# Altium PCB My_esp.PcbDoc
Units mm, origin at the board's own origin, x right, y up, seen from the top; angles counter-clockwise.
Board outline 31.6 x 52.7 mm, 4 copper layers (Top Layer, GND, PWR, Bottom Layer), stack 1.781 mm thick; 43 components, 53 nets, 213 pads, 86 vias.
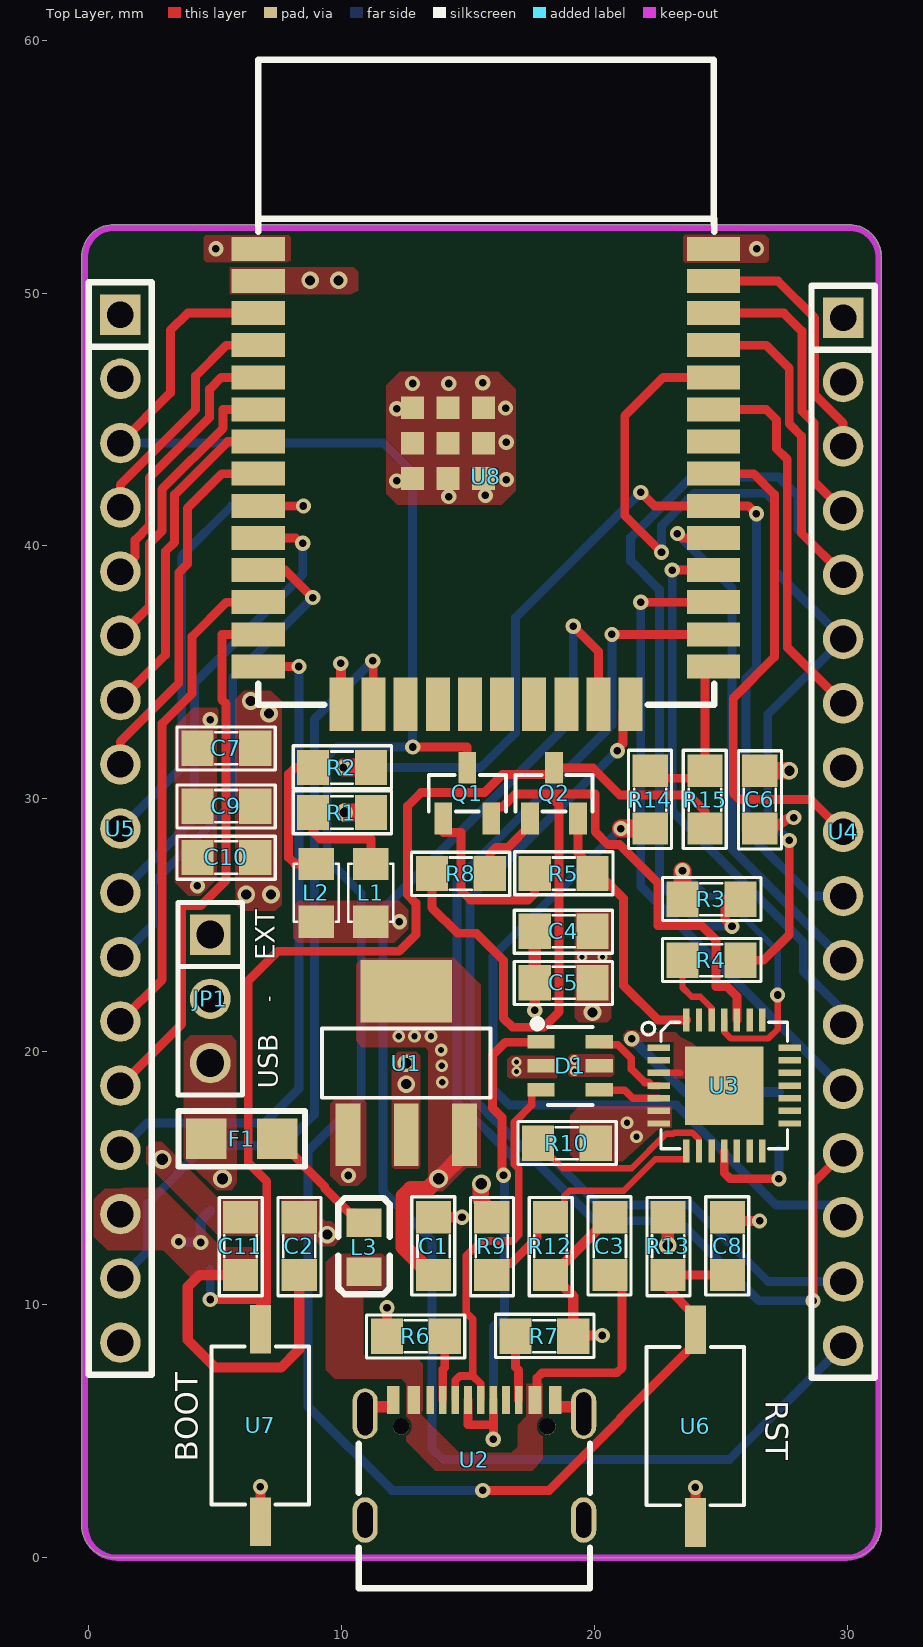
[diagram p0: Top Layer view]
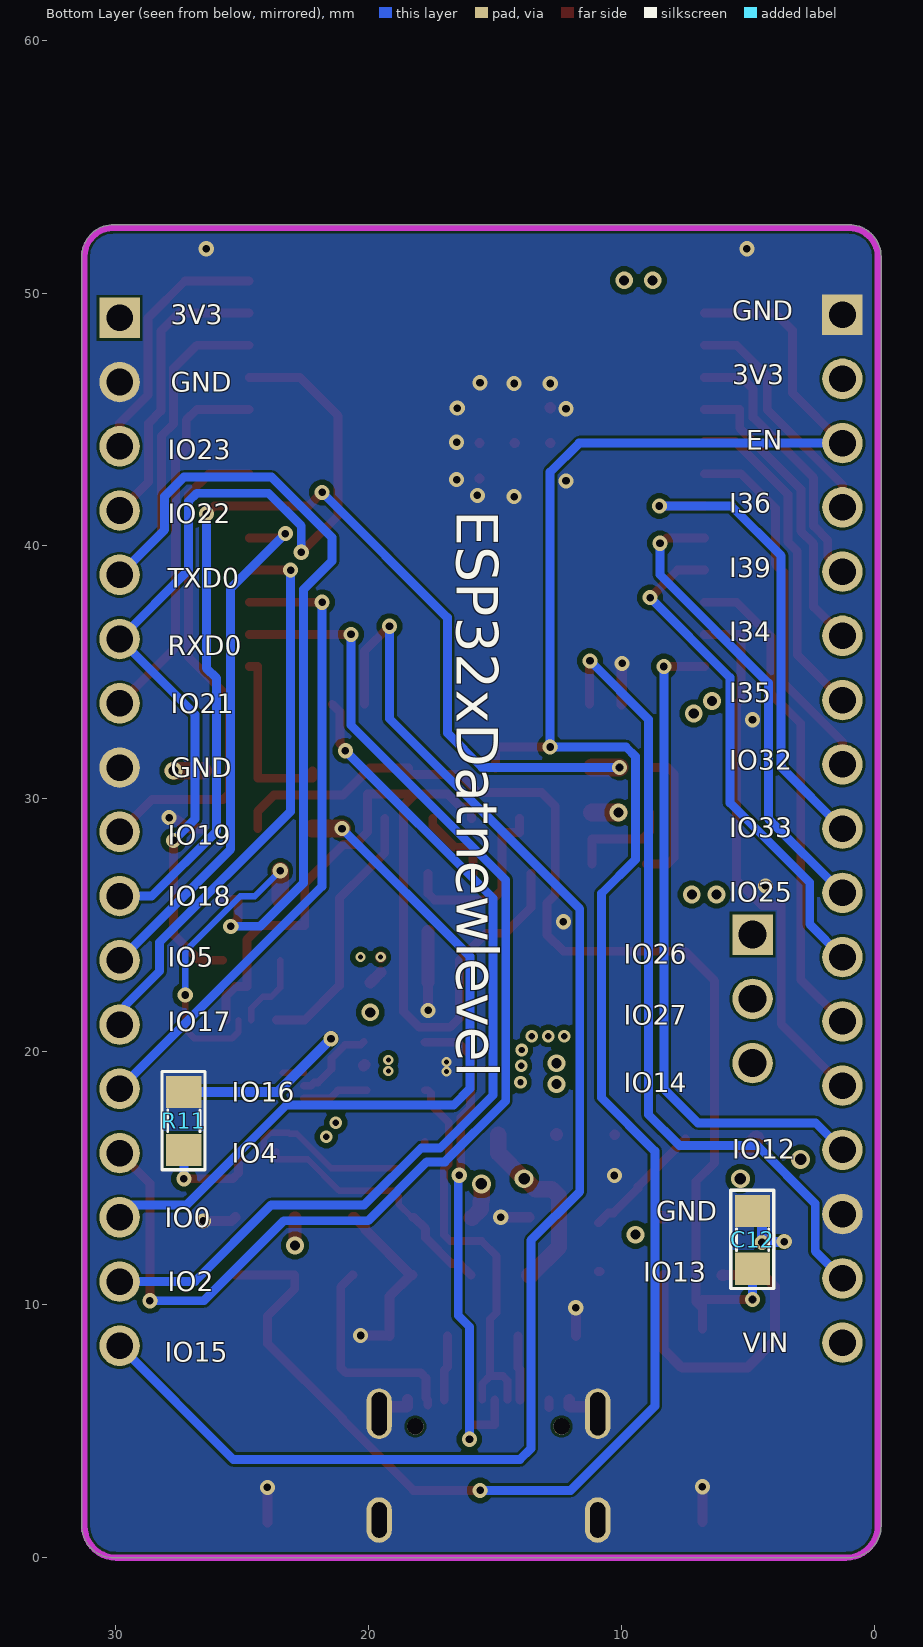
[diagram p1: Bottom Layer view, seen from below]
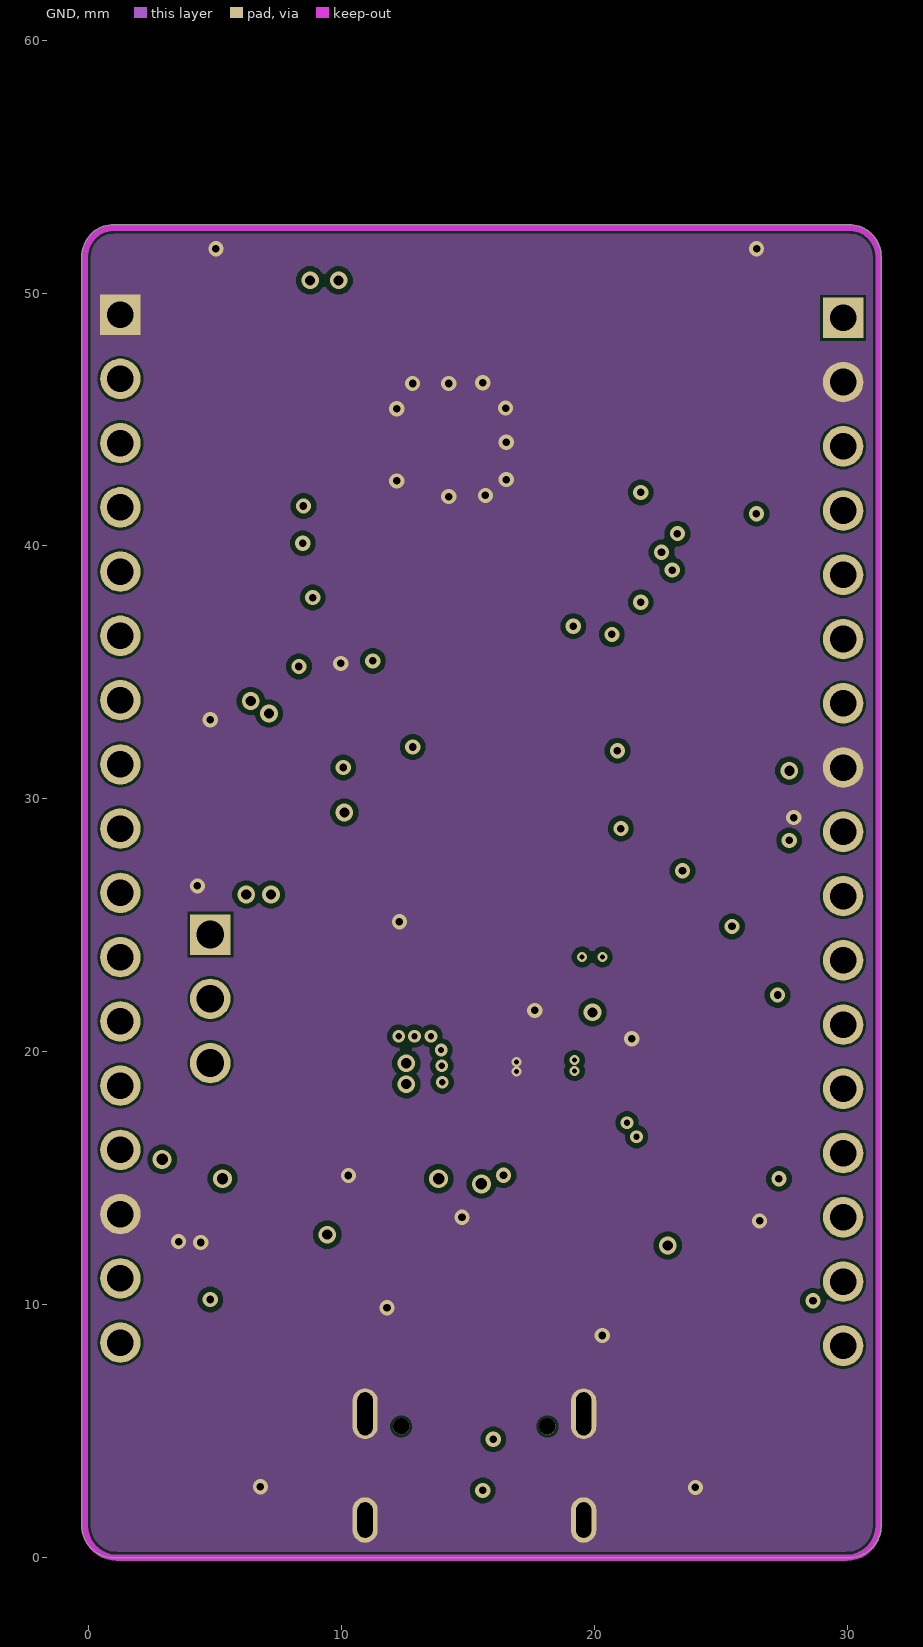
[diagram p2: GND]
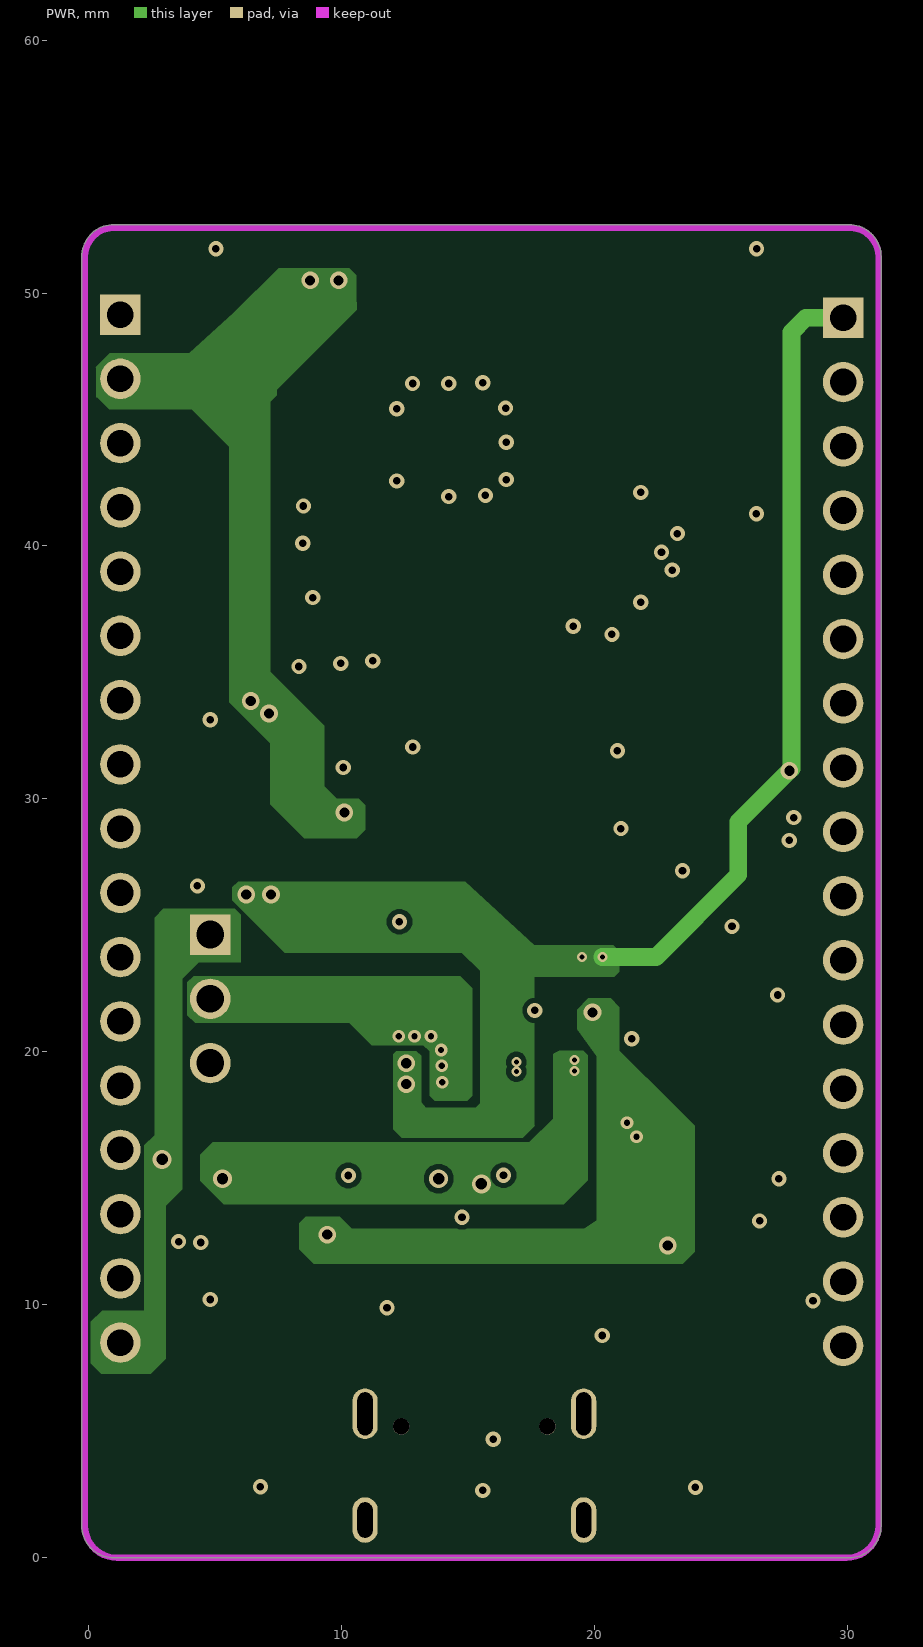
[diagram p3: PWR]
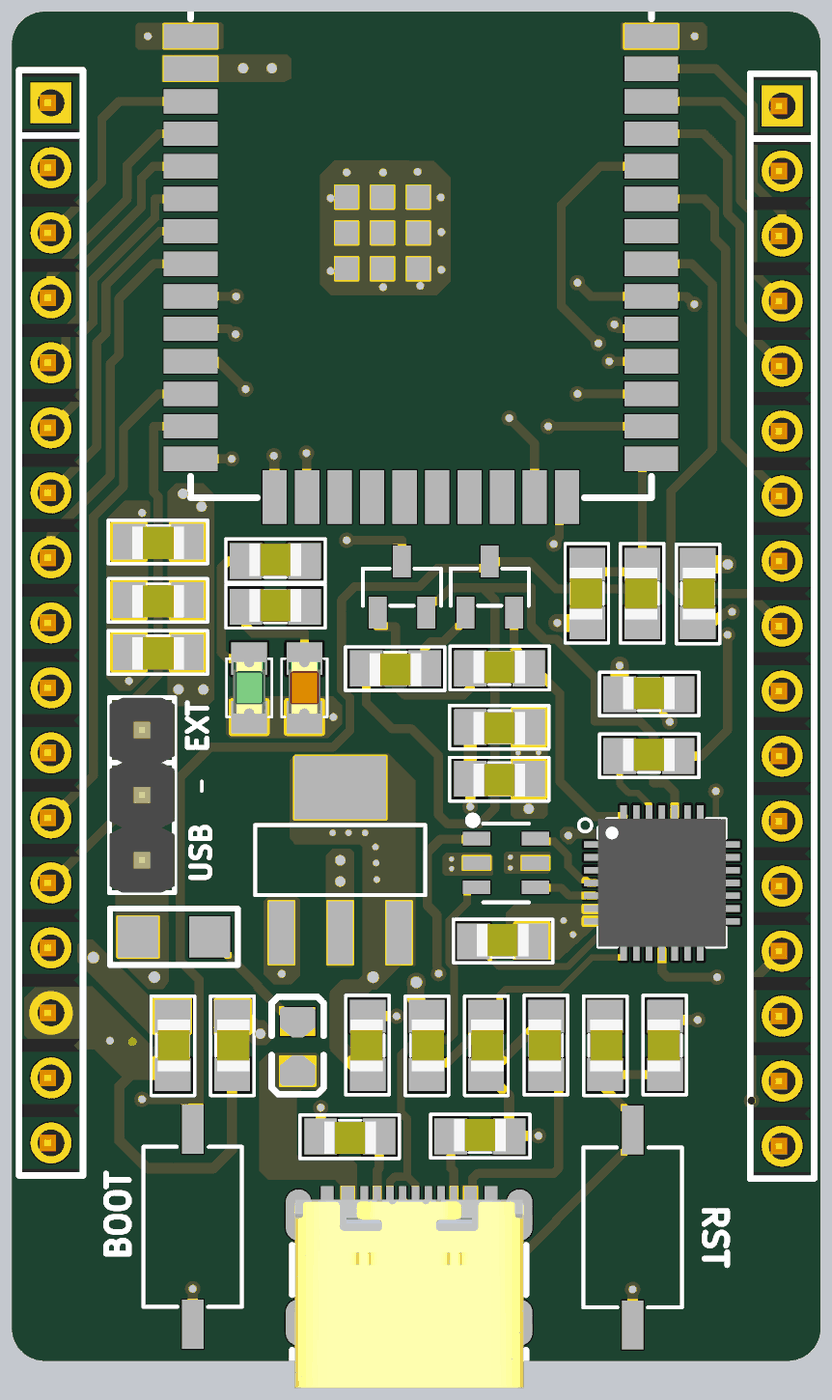
[diagram p4: 3D render of the assembled board from above, using the file's embedded part models]

## Layer stack, top to bottom
Top Solder: solder mask 0.0254, SM-001, Dk 4
Top Layer: signal copper 0.035
Dielectric 2: prepreg 0.0711, PP-006, Dk 4.1
GND: signal copper 0.035
Dielectric 1: core 1.4986, Core-043, Dk 4.3
PWR: signal copper 0.035
Dielectric 3: prepreg 0.0711, PP-006, Dk 4.1
Bottom Layer: signal copper 0.035
Bottom Solder: solder mask 0.0254, SM-001, Dk 4

## Board outline
-0.254,1.27 ccw(c1.016,1.27) 1.016,0 30.072,0 ccw(c30.072,1.27) 31.342,1.27 31.342,51.435 ccw(c30.072,51.435) 30.072,52.705 1.016,52.705 ccw(c1.016,51.435) -0.254,51.435

## Design rules (kind name [scope] priority, off if disabled: settings)
Clearance Clearance_Poly_Via [InPolygon vs IsVia] p1: gap=0.2 ignorepadtopadclearanceinfootprint=FALSE
Clearance [All] p2: gap=0.1 ignorepadtopadclearanceinfootprint=FALSE
HoleSize [All] p1: absolutevalues=TRUE maxlimit=2.54 minlimit=0.152 maxpercent=80.000 minpercent=20.000
MinimumSolderMaskSliver [All] p1: minsoldermaskwidth=0
PlaneClearance [All] p1: clearance=0.152
PolygonConnect [All] p1: connectstyle=Direct reliefconductorwidth=0.254 reliefentries=4 polygonreliefangle="90 Angle" airgapwidth=0.254
RoutingLayers RoutingLayers_52 [InNet('USB_D-')] p1: top layer_v5=TRUE mid layer 1_v5=FALSE mid layer 2_v5=FALSE bottom layer_v5=TRUE
RoutingLayers RoutingLayers_51 [InNet('USB_D+')] p2: top layer_v5=TRUE mid layer 1_v5=FALSE mid layer 2_v5=FALSE bottom layer_v5=TRUE
RoutingLayers RoutingLayers_50 [InNet('TXD0')] p3: top layer_v5=TRUE mid layer 1_v5=FALSE mid layer 2_v5=FALSE bottom layer_v5=TRUE
RoutingLayers RoutingLayers_49 [InNet('TXD')] p4: top layer_v5=TRUE mid layer 1_v5=FALSE mid layer 2_v5=FALSE bottom layer_v5=TRUE
RoutingLayers RoutingLayers_48 [InNet('RXD0')] p5: top layer_v5=TRUE mid layer 1_v5=FALSE mid layer 2_v5=FALSE bottom layer_v5=TRUE
RoutingLayers RoutingLayers_47 [InNet('RXD')] p6: top layer_v5=TRUE mid layer 1_v5=FALSE mid layer 2_v5=FALSE bottom layer_v5=TRUE
RoutingLayers RoutingLayers_46 [InNet('RTS')] p7: top layer_v5=TRUE mid layer 1_v5=FALSE mid layer 2_v5=FALSE bottom layer_v5=TRUE
RoutingLayers RoutingLayers_45 [InNet('NetR14_1')] p8: top layer_v5=TRUE mid layer 1_v5=FALSE mid layer 2_v5=FALSE bottom layer_v5=TRUE
RoutingLayers RoutingLayers_44 [InNet('NetR11_2')] p9: top layer_v5=TRUE mid layer 1_v5=FALSE mid layer 2_v5=FALSE bottom layer_v5=TRUE
RoutingLayers RoutingLayers_43 [InNet('NetR10_2')] p10: top layer_v5=TRUE mid layer 1_v5=FALSE mid layer 2_v5=FALSE bottom layer_v5=TRUE
RoutingLayers RoutingLayers_42 [InNet('NetR9_1')] p11: top layer_v5=TRUE mid layer 1_v5=FALSE mid layer 2_v5=FALSE bottom layer_v5=TRUE
RoutingLayers RoutingLayers_41 [InNet('NetQ2_1')] p12: top layer_v5=TRUE mid layer 1_v5=FALSE mid layer 2_v5=FALSE bottom layer_v5=TRUE
RoutingLayers RoutingLayers_40 [InNet('NetQ1_1')] p13: top layer_v5=TRUE mid layer 1_v5=FALSE mid layer 2_v5=FALSE bottom layer_v5=TRUE
RoutingLayers RoutingLayers_39 [InNet('NetL2_1')] p14: top layer_v5=TRUE mid layer 1_v5=FALSE mid layer 2_v5=FALSE bottom layer_v5=TRUE
RoutingLayers RoutingLayers_38 [InNet('NetL1_1')] p15: top layer_v5=TRUE mid layer 1_v5=FALSE mid layer 2_v5=FALSE bottom layer_v5=TRUE
RoutingLayers RoutingLayers_37 [InNet('NetF?_1')] p16: top layer_v5=TRUE mid layer 1_v5=FALSE mid layer 2_v5=FALSE bottom layer_v5=TRUE
RoutingLayers RoutingLayers_36 [InNet('NetC?_2')] p17: top layer_v5=TRUE mid layer 1_v5=FALSE mid layer 2_v5=FALSE bottom layer_v5=TRUE
RoutingLayers RoutingLayers_35 [InNet('IO_0_CON')] p18: top layer_v5=TRUE mid layer 1_v5=FALSE mid layer 2_v5=FALSE bottom layer_v5=TRUE
RoutingLayers RoutingLayers_34 [InNet('IO_0_BTN')] p19: top layer_v5=TRUE mid layer 1_v5=FALSE mid layer 2_v5=FALSE bottom layer_v5=TRUE
RoutingLayers RoutingLayers_33 [InNet('IO33')] p20: top layer_v5=TRUE mid layer 1_v5=FALSE mid layer 2_v5=FALSE bottom layer_v5=TRUE
RoutingLayers RoutingLayers_32 [InNet('IO32')] p21: top layer_v5=TRUE mid layer 1_v5=FALSE mid layer 2_v5=FALSE bottom layer_v5=TRUE
RoutingLayers RoutingLayers_31 [InNet('IO27')] p22: top layer_v5=TRUE mid layer 1_v5=FALSE mid layer 2_v5=FALSE bottom layer_v5=TRUE
RoutingLayers RoutingLayers_30 [InNet('IO26')] p23: top layer_v5=TRUE mid layer 1_v5=FALSE mid layer 2_v5=FALSE bottom layer_v5=TRUE
RoutingLayers RoutingLayers_29 [InNet('IO25')] p24: top layer_v5=TRUE mid layer 1_v5=FALSE mid layer 2_v5=FALSE bottom layer_v5=TRUE
RoutingLayers RoutingLayers_28 [InNet('IO23')] p25: top layer_v5=TRUE mid layer 1_v5=FALSE mid layer 2_v5=FALSE bottom layer_v5=TRUE
RoutingLayers RoutingLayers_27 [InNet('IO22')] p26: top layer_v5=TRUE mid layer 1_v5=FALSE mid layer 2_v5=FALSE bottom layer_v5=TRUE
RoutingLayers RoutingLayers_26 [InNet('IO21')] p27: top layer_v5=TRUE mid layer 1_v5=FALSE mid layer 2_v5=FALSE bottom layer_v5=TRUE
RoutingLayers RoutingLayers_25 [InNet('IO19')] p28: top layer_v5=TRUE mid layer 1_v5=FALSE mid layer 2_v5=FALSE bottom layer_v5=TRUE
RoutingLayers RoutingLayers_24 [InNet('IO18')] p29: top layer_v5=TRUE mid layer 1_v5=FALSE mid layer 2_v5=FALSE bottom layer_v5=TRUE
RoutingLayers RoutingLayers_23 [InNet('IO17')] p30: top layer_v5=TRUE mid layer 1_v5=FALSE mid layer 2_v5=FALSE bottom layer_v5=TRUE
RoutingLayers RoutingLayers_22 [InNet('IO16')] p31: top layer_v5=TRUE mid layer 1_v5=FALSE mid layer 2_v5=FALSE bottom layer_v5=TRUE
RoutingLayers RoutingLayers_21 [InNet('IO15')] p32: top layer_v5=TRUE mid layer 1_v5=FALSE mid layer 2_v5=FALSE bottom layer_v5=TRUE
RoutingLayers RoutingLayers_20 [InNet('IO14')] p33: top layer_v5=TRUE mid layer 1_v5=FALSE mid layer 2_v5=FALSE bottom layer_v5=TRUE
RoutingLayers RoutingLayers_19 [InNet('IO13')] p34: top layer_v5=TRUE mid layer 1_v5=FALSE mid layer 2_v5=FALSE bottom layer_v5=TRUE
RoutingLayers RoutingLayers_9 [InNet('IO12')] p35: top layer_v5=TRUE mid layer 1_v5=FALSE mid layer 2_v5=FALSE bottom layer_v5=TRUE
RoutingLayers RoutingLayers_18 [InNet('IO5')] p36: top layer_v5=TRUE mid layer 1_v5=FALSE mid layer 2_v5=FALSE bottom layer_v5=TRUE
RoutingLayers RoutingLayers_17 [InNet('IO4')] p37: top layer_v5=TRUE mid layer 1_v5=FALSE mid layer 2_v5=FALSE bottom layer_v5=TRUE
RoutingLayers RoutingLayers_16 [InNet('IO2')] p38: top layer_v5=TRUE mid layer 1_v5=FALSE mid layer 2_v5=FALSE bottom layer_v5=TRUE
RoutingLayers RoutingLayers_15 [InNet('I39')] p39: top layer_v5=TRUE mid layer 1_v5=FALSE mid layer 2_v5=FALSE bottom layer_v5=TRUE
RoutingLayers RoutingLayers_14 [InNet('I36')] p40: top layer_v5=TRUE mid layer 1_v5=FALSE mid layer 2_v5=FALSE bottom layer_v5=TRUE
RoutingLayers RoutingLayers_13 [InNet('I35')] p41: top layer_v5=TRUE mid layer 1_v5=FALSE mid layer 2_v5=FALSE bottom layer_v5=TRUE
RoutingLayers RoutingLayers_12 [InNet('I34')] p42: top layer_v5=TRUE mid layer 1_v5=FALSE mid layer 2_v5=FALSE bottom layer_v5=TRUE
RoutingLayers RoutingLayers_11 [InNet('EN')] p43: top layer_v5=TRUE mid layer 1_v5=FALSE mid layer 2_v5=FALSE bottom layer_v5=TRUE
RoutingLayers RoutingLayers_10 [InNet('DTR')] p44: top layer_v5=TRUE mid layer 1_v5=TRUE mid layer 2_v5=TRUE bottom layer_v5=TRUE
RoutingLayers RoutingLayers_8 [InNet('D-')] p45: top layer_v5=TRUE mid layer 1_v5=FALSE mid layer 2_v5=FALSE bottom layer_v5=TRUE
RoutingLayers RoutingLayers_7 [InNet('D+')] p46: top layer_v5=TRUE mid layer 1_v5=FALSE mid layer 2_v5=FALSE bottom layer_v5=TRUE
RoutingLayers RoutingLayers_6 [InNet('CC2')] p47: top layer_v5=TRUE mid layer 1_v5=FALSE mid layer 2_v5=FALSE bottom layer_v5=TRUE
RoutingLayers RoutingLayers_5 [InNet('CC1')] p48: top layer_v5=TRUE mid layer 1_v5=FALSE mid layer 2_v5=FALSE bottom layer_v5=TRUE
RoutingLayers RoutingLayers_4 [InNet('GND')] p49: top layer_v5=TRUE mid layer 1_v5=TRUE mid layer 2_v5=FALSE bottom layer_v5=FALSE
RoutingLayers RoutingLayers_3 [InNet('5V_VBUS')] p50: top layer_v5=TRUE mid layer 1_v5=FALSE mid layer 2_v5=TRUE bottom layer_v5=FALSE
RoutingLayers RoutingLayers_2 [InNet('5V_EXT')] p51: top layer_v5=TRUE mid layer 1_v5=FALSE mid layer 2_v5=TRUE bottom layer_v5=FALSE
RoutingLayers RoutingLayers_1 [InNet('5V')] p52: top layer_v5=TRUE mid layer 1_v5=FALSE mid layer 2_v5=TRUE bottom layer_v5=FALSE
RoutingLayers [InNet('3.3V')] p53: top layer_v5=TRUE mid layer 1_v5=FALSE mid layer 2_v5=TRUE bottom layer_v5=FALSE
RoutingVias [All] p1: holewidth=0.25 width=0.5 viastyle="Through Hole" minholewidth=0.2 minwidth=0.4 maxholewidth=0.4 maxwidth=0.8
SilkToSolderMaskClearance [IsPad] p1: minsilkscreentomaskgap=0 clearancetoexposedcopper=TRUE
SolderMaskExpansion Tented_Vias [IsVia] p1: expansion=0.102 istentingtop=TRUE useseparateexpansions=TRUE expansionbottom=0.102 istentingbottom=TRUE
SolderMaskExpansion [All] p2: expansion=0.102 istentingtop=FALSE
UnRoutedNet [All] p1: checkbadconnections=TRUE
Width [All] p1: maxlimit=0.7 minlimit=0.254 preferedwidth=0.45
24 further rules are at their usual default settings.

## Classes and differential pairs
component class My_esp: C1 C2 C4 C6 C8 C10 C12 D1 F1 JP1 L1 L2 L3 Q1 Q2 R1 R2 R3 R4 R5 R6 R7 R8 R9 R10 R11 R12 R13 R14 R15 U1 U2 U3 U4 U5 U6 U7 U8

## Components (designator, comment, footprint, x,y, rotation, side; value= is the part's Value field where it differs from the comment)
C1 "10uF" SM-0805 13.652,12.319 r270 top value=103
C2 "10uF" SM-0805 8.344,12.319 r90 top value=103
C3 "100nF" SM-0805 20.625,12.319 r270 top value=103
C4 "4.7uF" SM-0805 18.796,24.765 r0 top value=103
C5 "100nF" SM-0805 18.796,22.733 r0 top value=103
C6 "100nF" SM-0805 26.543,29.972 r90 top value=103
C7 "100nF" SM-0805 5.461,32.004 r0 top value=103
C8 "100nF" SM-0805 25.273,12.319 r270 top value=103
C9 "22uF" SM-0805 5.461,29.718 r0 top value=103
C10 "100nF" SM-0805 5.461,27.686 r0 top value=103
C11 "100nF" SM-0805 6.02,12.319 r90 top value=103
C12 "100nF" SM-0805 4.826,12.573 r270 bottom value=103
D1 "USBLC6-2SC6" SOT-23-6_L2.9-W1.6-P0.95-LS2.8-BL 19.054,19.446 r270 top
F1 "1.5A 6V" R1206 6.071,16.561 r180 top
JP1 "JP 1x3 2.54" "JP 1x3 DT" 4.826,24.638 r270 top
L1 "LED 0805" LED-0805-Red 11.176,27.432 r270 top
L2 "LED 0805" LED-0805-Green 9.017,27.432 r270 top
L3 "FB" L0805 10.909,12.319 r270 top
Q1 "SS8050-G" SOT-23-3_L2.9-W1.3-P1.90-LS2.4-BR 14.986,30.226 r270 top
Q2 "SS8050-G" SOT-23-3_L2.9-W1.3-P1.90-LS2.4-BR 18.415,30.226 r270 top
R1 "5.1K" SM-0805 10.033,29.464 r180 top value=1K
R2 "560R" SM-0805 10.033,31.242 r180 top value=1K
R3 "0R" SM-0805 24.638,26.035 r180 top value=1K
R4 "0R" SM-0805 24.638,23.622 r180 top value=1K
R5 "10K" SM-0805 18.796,27.051 r180 top value=1K
R6 "5.1K" SM-0805 12.954,8.763 r0 top value=1K
R7 "5.1K" SM-0805 18.034,8.763 r180 top value=1K
R8 "10K" SM-0805 14.732,27.051 r0 top value=1K
R9 "22.1K" SM-0805 15.951,12.319 r90 top value=1K
R10 "1K" SM-0805 18.923,16.383 r180 top
R11 "10K" SM-0805 27.305,17.272 r270 bottom value=1K
R12 "47.5K" SM-0805 18.275,12.319 r90 top value=1K
R13 "10K" SM-0805 22.924,12.319 r90 top value=1K
R14 "22R" SM-0805 22.225,29.972 r270 top value=1K
R15 "22R" SM-0805 24.384,29.972 r270 top value=1K
U1 "AMS1117-3.3_C347222" SOT-223-4_L6.5-W3.5-P2.30-LS7.0-BR 12.573,19.558 r270 top
U2 "HX TYPE-C 16PIN" TYPE-C-SMD_HX-TYPE-C-16PIN 15.265,2.743 r0 top
U3 "CP2102-GMR-QFN28" QFN28G_0.5-5X5MM 25.146,18.669 r0 top
U4 "Jump 1x17 2.54" HDR-TH_17P-P2.54-V-M 29.845,28.702 r270 top
U5 "Jump 1x17 2.54" HDR-TH_17P-P2.54-V-M 1.27,28.829 r270 top
U6 "Sw 2 chan 3X6X2.5MM" SW-SMD_L6.1-W3.7-LS8.0 24.003,5.207 r90 top
U7 "Sw 2 chan 3X6X2.5MM" SW-SMD_L6.1-W3.7-LS8.0 6.807,5.232 r90 top
U8 "ESP32-WROOM-32E(4MB)" WIFI-SMD_ESP32-WROOM-32E 15.659,46.02 r270 top
